# EAGLE board Mk4 Final Panel 6up 3x2 (EAGLE 9.0.1), part 5 of 18 (continued)
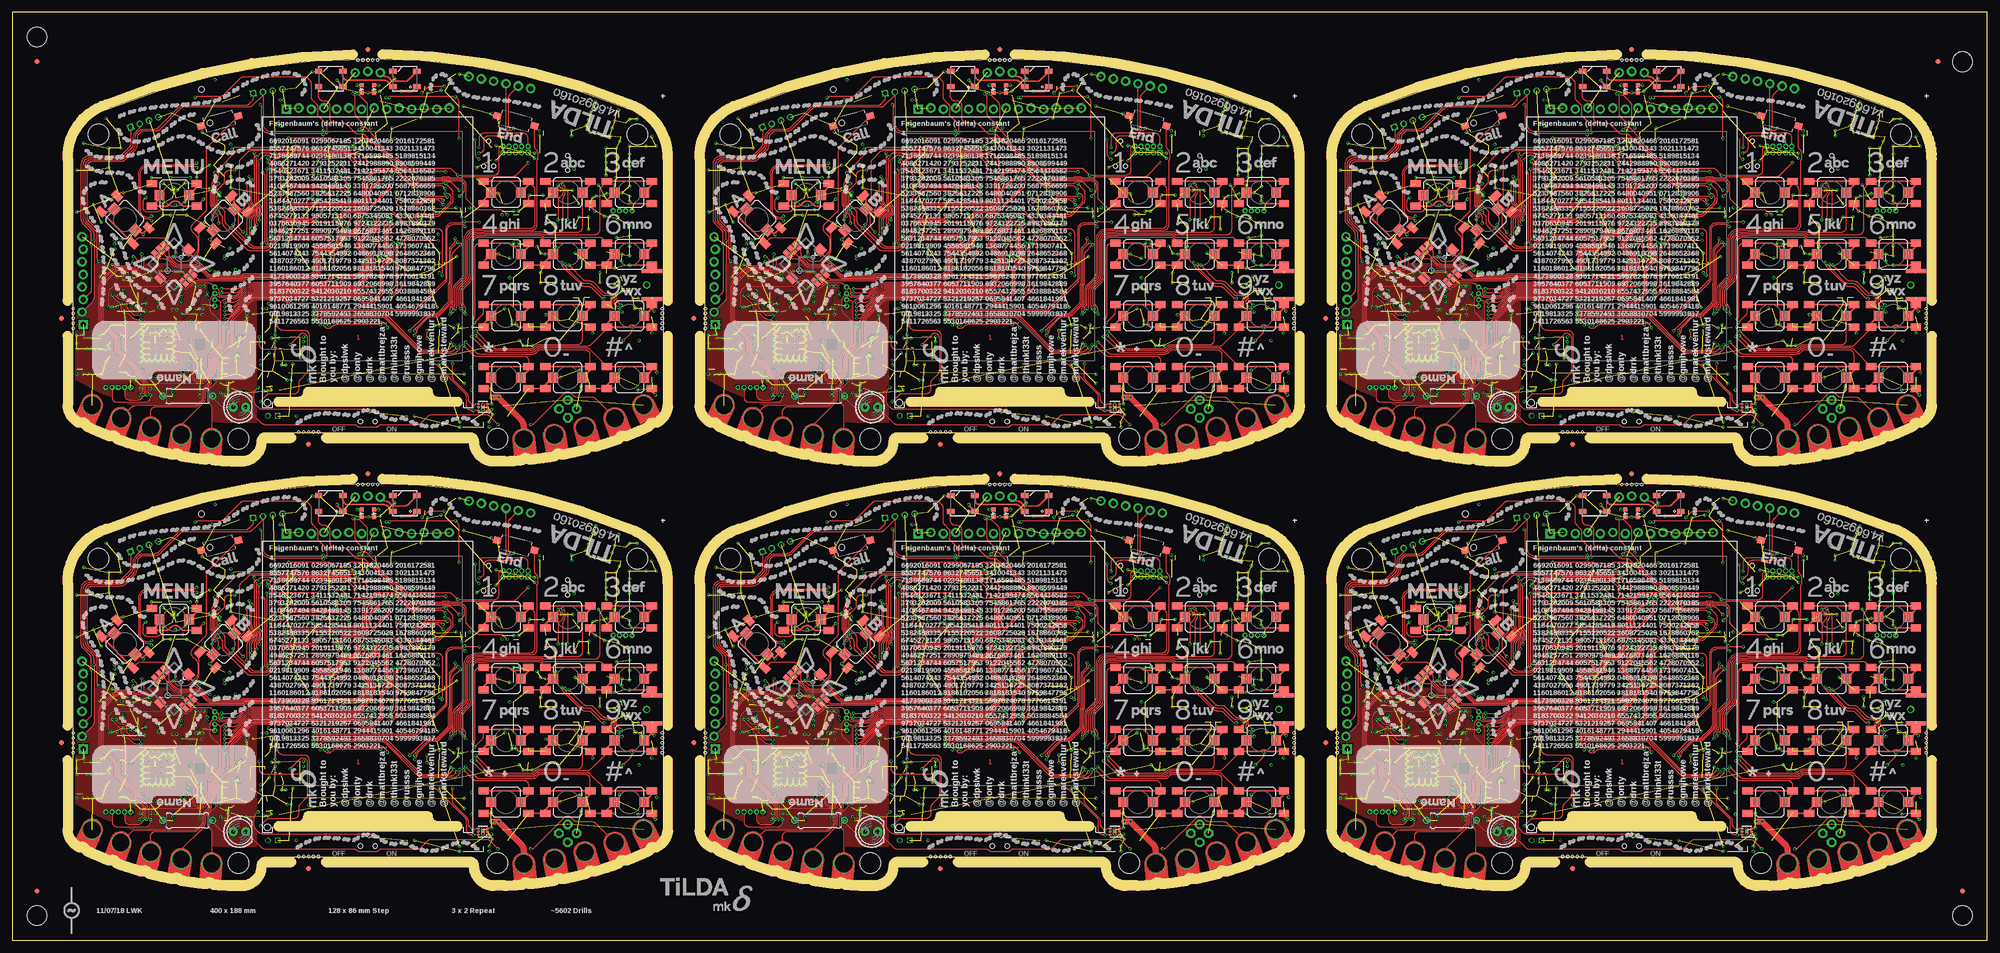
[diagram p0: board, top side]
## Tracks (layer width: path | path; a pad name or v marks a point on that pad's centre or on a via) (continued)
  Bottom 0.15: IC20.70 195.8,73.59 arc-45 195.95,73.95 196.25,74.25 arc-45 196.61,74.4 196.79,74.4 arc45 197.15,74.55 197.85,75.25 arc45 198,75.61 C125.2 | R88.1 198,77.79 arc-45 198.15,78.15 v198.25,78.25 | v208.5,37.5 208.5,31.82 arc45 209.01,30.59 214.09,25.51 arc45 215.32,25 218.45,25 arc-90 219.7,23.75 219.7,22.16 arc-45 219.41,21.46 218.41,20.46 arc-45 218.27,20.4 217.56,20.4 arc45 217.42,20.34 217.38,20.31 arc-45 217.24,20.25 S40.2
  Bottom 0.2: C125.2 R88.1
!RESET2  (via drill 0.3)
  Top 0.15: v89.7,142.2 89.7,141.81 arc-45 89.41,141.11 88.82,140.52 arc45 88.53,139.81 88.53,133.15 arc-45 88.5,133.08 88.43,133.01 arc45 88.4,132.94 88.4,129.76 arc-45 88.11,129.06 86.24,127.19 arc-45 85.54,126.9 84.31,126.9 arc45 83.61,126.61 v80.5,123.5
  Top 0.2: J23.10 98.84,160.84 arc45 98.6,160.27 98.6,156.05 arc-90 97.6,155.05 v90.2,155.05 89.19,156.06 arc45 88.49,156.35 80.46,156.35 arc-45 79.75,156.64 78.14,158.25 arc45 77.79,158.4 77.67,158.4 arc-45 76.96,158.69 74.02,161.63 arc-45 73.73,162.34 arc45 73.6,162.65 71.83,164.42 arc90 70.42,164.42 v70.25,164.25
  3V3@2 0.15: v90.2,155.05 90.2,152.8 88.62,151.22 88.62,150.38 88.5,150.26 88.5,144.65 89.7,143.45 v89.7,142.2
  Bottom 0.15: IC38.70 67.8,159.59 arc-45 67.95,159.95 68.25,160.25 arc-45 68.61,160.4 68.79,160.4 arc45 69.15,160.55 69.85,161.25 arc45 70,161.61 C233.2 | R166.1 70,163.79 arc-45 70.15,164.15 v70.25,164.25 | v80.5,123.5 80.5,117.83 arc45 81.01,116.59 86.09,111.51 arc45 87.33,111 90.45,111 arc-90 91.7,109.75 91.7,108.16 arc-45 91.41,107.46 90.41,106.46 arc-45 90.27,106.4 89.56,106.4 arc45 89.42,106.34 89.38,106.31 arc-45 89.24,106.25 S61.2
  Bottom 0.2: C233.2 R166.1
!RESET3  (via drill 0.3)
  Top 0.15: v217.7,142.2 217.7,141.81 arc-45 217.41,141.11 216.82,140.52 arc45 216.53,139.81 216.53,133.15 arc-45 216.5,133.08 216.43,133.01 arc45 216.4,132.94 216.4,129.76 arc-45 216.11,129.06 214.24,127.19 arc-45 213.54,126.9 212.31,126.9 arc45 211.61,126.61 v208.5,123.5
  Top 0.2: J33.10 226.84,160.84 arc45 226.6,160.27 226.6,156.05 arc-90 225.6,155.05 v218.2,155.05 217.19,156.06 arc45 216.49,156.35 208.46,156.35 arc-45 207.75,156.64 206.14,158.25 arc45 205.79,158.4 205.67,158.4 arc-45 204.96,158.69 202.02,161.63 arc-45 201.73,162.34 arc45 201.6,162.65 199.83,164.42 arc90 198.42,164.42 v198.25,164.25
  3V3@2 0.15: v218.2,155.05 218.2,152.8 216.62,151.22 216.62,150.38 216.5,150.26 216.5,144.65 217.7,143.45 v217.7,142.2
  Bottom 0.15: IC56.70 195.8,159.59 arc-45 195.95,159.95 196.25,160.25 arc-45 196.61,160.4 196.79,160.4 arc45 197.15,160.55 197.85,161.25 arc45 198,161.61 C341.2 | R244.1 198,163.79 arc-45 198.15,164.15 v198.25,164.25 | v208.5,123.5 208.5,117.83 arc45 209.01,116.59 214.09,111.51 arc45 215.32,111 218.45,111 arc-90 219.7,109.75 219.7,108.16 arc-45 219.41,107.46 218.41,106.46 arc-45 218.27,106.4 217.56,106.4 arc45 217.42,106.34 217.38,106.31 arc-45 217.24,106.25 S82.2
  Bottom 0.2: C341.2 R244.1
!RESET4  (via drill 0.3)
  Top 0.15: v345.7,56.2 345.7,55.81 arc-45 345.41,55.11 344.82,54.52 arc45 344.52,53.81 344.52,47.15 arc-45 344.5,47.08 344.43,47.01 arc45 344.4,46.94 344.4,43.76 arc-45 344.11,43.06 342.24,41.19 arc-45 341.54,40.9 340.31,40.9 arc45 339.61,40.61 v336.5,37.5
  Top 0.2: J43.10 354.83,74.84 arc45 354.6,74.27 354.6,70.05 arc-90 353.6,69.05 v346.2,69.05 345.19,70.06 arc45 344.49,70.35 336.46,70.35 arc-45 335.75,70.64 334.14,72.25 arc45 333.79,72.4 333.67,72.4 arc-45 332.96,72.69 330.02,75.63 arc-45 329.73,76.34 arc45 329.6,76.65 327.83,78.42 arc90 326.42,78.42 v326.25,78.25
  3V3@2 0.15: v346.2,69.05 346.2,66.8 344.62,65.22 344.62,64.38 344.5,64.26 344.5,58.65 345.7,57.45 v345.7,56.2
  Bottom 0.15: IC74.70 323.8,73.59 arc-45 323.95,73.95 324.25,74.25 arc-45 324.61,74.4 324.79,74.4 arc45 325.15,74.55 325.85,75.25 arc45 326,75.61 C449.2 | R322.1 326,77.79 arc-45 326.15,78.15 v326.25,78.25 | v336.5,37.5 336.5,31.82 arc45 337.01,30.59 342.09,25.51 arc45 343.32,25 346.45,25 arc-90 347.7,23.75 347.7,22.16 arc-45 347.41,21.46 346.41,20.46 arc-45 346.27,20.4 345.56,20.4 arc45 345.42,20.34 345.38,20.31 arc-45 345.24,20.25 S103.2
  Bottom 0.2: C449.2 R322.1
!RESET6  (via drill 0.3)
  Top 0.15: v345.7,142.2 345.7,141.81 arc-45 345.41,141.11 344.82,140.52 arc45 344.52,139.81 344.52,133.15 arc-45 344.5,133.08 344.43,133.01 arc45 344.4,132.94 344.4,129.76 arc-45 344.11,129.06 342.24,127.19 arc-45 341.54,126.9 340.31,126.9 arc45 339.61,126.61 v336.5,123.5
  Top 0.2: J63.10 354.83,160.84 arc45 354.6,160.27 354.6,156.05 arc-90 353.6,155.05 v346.2,155.05 345.19,156.06 arc45 344.49,156.35 336.46,156.35 arc-45 335.75,156.64 334.14,158.25 arc45 333.79,158.4 333.67,158.4 arc-45 332.96,158.69 330.02,161.63 arc-45 329.73,162.34 arc45 329.6,162.65 327.83,164.42 arc90 326.42,164.42 v326.25,164.25
  3V3@2 0.15: v346.2,155.05 346.2,152.8 344.62,151.22 344.62,150.38 344.5,150.26 344.5,144.65 345.7,143.45 v345.7,142.2
  Bottom 0.15: IC110.70 323.8,159.59 arc-45 323.95,159.95 324.25,160.25 arc-45 324.61,160.4 324.79,160.4 arc45 325.15,160.55 325.85,161.25 arc45 326,161.61 C665.2 | R478.1 326,163.79 arc-45 326.15,164.15 v326.25,164.25 | v336.5,123.5 336.5,117.83 arc45 337.01,116.59 342.09,111.51 arc45 343.32,111 346.45,111 arc-90 347.7,109.75 347.7,108.16 arc-45 347.41,107.46 346.41,106.46 arc-45 346.27,106.4 345.56,106.4 arc45 345.42,106.34 345.38,106.31 arc-45 345.24,106.25 S145.2
  Bottom 0.2: C665.2 R478.1
!WAKE  (via drill 0.3)
  Top 0.15: v66.5,71.2 68.11,69.59 arc45 68.81,69.3 71.87,69.3 arc45 72.22,69.45 72.81,70.03 arc-45 73.52,70.33 77.23,70.33 arc-45 77.76,70.1 80.4,67.47 arc45 81.11,67.17 82.24,67.17 82.27,67.2 86.54,67.2 arc45 87.25,67.49 87.52,67.77 arc-45 87.66,67.83 87.94,67.83 arc-45 88.08,67.77 88.18,67.66 arc45 88.33,67.6 88.49,67.6 arc-45 89.19,67.31 v90.5,66 | v81.5,37.5 81.52,37.52 arc-45 81.75,38.08 83.98,40.31 arc-45 84.69,40.6 85.66,40.6 arc45 86.37,40.89 88.41,42.93 arc45 88.7,43.64 88.7,46.82 arc-45 88.73,46.89 88.8,46.96 arc45 88.83,47.03 88.83,53.66 arc-45 89.12,54.37 v90.22,55.48
  3V3@2 0.15: v90.22,55.48 90.22,56.58 90.1,56.7 90.1,57.48 88.8,58.78 88.8,64.13 88.92,64.26 88.92,64.42 v90.5,66
  Bottom 0.15: S20.2 64.25,20.25 65.21,19.29 arc45 65.91,19 68.88,19 arc-45 69.58,18.71 69.97,18.32 arc45 70.32,18.18 73.68,18.18 arc45 74.03,18.32 74.42,18.71 arc-45 75.12,19 88.09,19 arc45 88.79,19.29 89.54,20.04 arc-45 89.68,20.1 90.39,20.1 arc45 90.53,20.16 91.63,21.26 arc45 92,22.14 92,23.8 arc90 90.5,25.3 87.4,25.3 arc-45 86.34,25.74 81.34,30.74 arc-45 80.9,31.8 80.9,36.49 arc-45 81.19,37.19 v81.5,37.5 | IC1.64 v66.5,71.2
  Bottom 0.2: IC1.64 62.7,71.2 R5.1
!WAKE1  (via drill 0.3)
  Top 0.15: v194.5,71.2 196.11,69.59 arc45 196.81,69.3 199.87,69.3 arc45 200.22,69.45 200.81,70.03 arc-45 201.51,70.33 205.23,70.33 arc-45 205.76,70.1 208.4,67.47 arc45 209.11,67.17 210.24,67.17 210.27,67.2 214.54,67.2 arc45 215.25,67.49 215.52,67.77 arc-45 215.66,67.83 215.94,67.83 arc-45 216.08,67.77 216.18,67.66 arc45 216.32,67.6 216.49,67.6 arc-45 217.19,67.31 v218.5,66 | v209.5,37.5 209.52,37.52 arc-45 209.75,38.08 211.98,40.31 arc-45 212.69,40.6 213.66,40.6 arc45 214.37,40.89 216.41,42.93 arc45 216.7,43.64 216.7,46.82 arc-45 216.73,46.89 216.8,46.96 arc45 216.82,47.03 216.82,53.66 arc-45 217.12,54.37 v218.22,55.48
  3V3@2 0.15: v218.22,55.48 218.22,56.58 218.1,56.7 218.1,57.48 216.8,58.78 216.8,64.13 216.93,64.26 216.93,64.42 v218.5,66
  Bottom 0.15: S41.2 192.25,20.25 193.21,19.29 arc45 193.91,19 196.88,19 arc-45 197.58,18.71 197.97,18.32 arc45 198.32,18.18 201.68,18.18 arc45 202.03,18.32 202.41,18.71 arc-45 203.12,19 216.09,19 arc45 216.79,19.29 217.54,20.04 arc-45 217.68,20.1 218.39,20.1 arc45 218.53,20.16 219.63,21.26 arc45 220,22.14 220,23.8 arc90 218.5,25.3 215.4,25.3 arc-45 214.34,25.74 209.34,30.74 arc-45 208.9,31.8 208.9,36.49 arc-45 209.19,37.19 v209.5,37.5 | IC20.64 v194.5,71.2
  Bottom 0.2: IC20.64 190.7,71.2 R89.1
!WAKE2  (via drill 0.3)
  Top 0.15: v66.5,157.2 68.11,155.59 arc45 68.81,155.3 71.87,155.3 arc45 72.22,155.45 72.81,156.03 arc-45 73.52,156.32 77.23,156.32 arc-45 77.76,156.1 80.4,153.47 arc45 81.11,153.18 82.24,153.18 82.27,153.2 86.54,153.2 arc45 87.25,153.49 87.52,153.77 arc-45 87.66,153.82 87.94,153.82 arc-45 88.08,153.77 88.18,153.66 arc45 88.33,153.6 88.49,153.6 arc-45 89.19,153.31 v90.5,152 | v81.5,123.5 81.52,123.52 arc-45 81.75,124.08 83.98,126.31 arc-45 84.69,126.6 85.66,126.6 arc45 86.37,126.89 88.41,128.93 arc45 88.7,129.64 88.7,132.82 arc-45 88.73,132.89 88.8,132.96 arc45 88.83,133.03 88.83,139.66 arc-45 89.12,140.37 v90.22,141.47
  3V3@2 0.15: v90.22,141.47 90.22,142.57 90.1,142.7 90.1,143.48 88.8,144.78 88.8,150.13 88.92,150.26 88.92,150.43 v90.5,152
  Bottom 0.15: S62.2 64.25,106.25 65.21,105.29 arc45 65.91,105 68.88,105 arc-45 69.58,104.71 69.97,104.32 arc45 70.32,104.17 73.68,104.17 arc45 74.03,104.32 74.42,104.71 arc-45 75.12,105 88.09,105 arc45 88.79,105.29 89.54,106.04 arc-45 89.68,106.1 90.39,106.1 arc45 90.53,106.16 91.63,107.26 arc45 92,108.14 92,109.8 arc90 90.5,111.3 87.4,111.3 arc-45 86.34,111.74 81.34,116.74 arc-45 80.9,117.8 80.9,122.49 arc-45 81.19,123.19 v81.5,123.5 | IC38.64 v66.5,157.2
  Bottom 0.2: IC38.64 62.7,157.2 R167.1
!WAKE3  (via drill 0.3)
  Top 0.15: v194.5,157.2 196.11,155.59 arc45 196.81,155.3 199.87,155.3 arc45 200.22,155.45 200.81,156.03 arc-45 201.51,156.32 205.23,156.32 arc-45 205.76,156.1 208.4,153.47 arc45 209.11,153.18 210.24,153.18 210.27,153.2 214.54,153.2 arc45 215.25,153.49 215.52,153.77 arc-45 215.66,153.82 215.94,153.82 arc-45 216.08,153.77 216.18,153.66 arc45 216.32,153.6 216.49,153.6 arc-45 217.19,153.31 v218.5,152 | v209.5,123.5 209.52,123.52 arc-45 209.75,124.08 211.98,126.31 arc-45 212.69,126.6 213.66,126.6 arc45 214.37,126.89 216.41,128.93 arc45 216.7,129.64 216.7,132.82 arc-45 216.73,132.89 216.8,132.96 arc45 216.82,133.03 216.82,139.66 arc-45 217.12,140.37 v218.22,141.47
  3V3@2 0.15: v218.22,141.47 218.22,142.57 218.1,142.7 218.1,143.48 216.8,144.78 216.8,150.13 216.93,150.26 216.93,150.43 v218.5,152
  Bottom 0.15: S83.2 192.25,106.25 193.21,105.29 arc45 193.91,105 196.88,105 arc-45 197.58,104.71 197.97,104.32 arc45 198.32,104.17 201.68,104.17 arc45 202.03,104.32 202.41,104.71 arc-45 203.12,105 216.09,105 arc45 216.79,105.29 217.54,106.04 arc-45 217.68,106.1 218.39,106.1 arc45 218.53,106.16 219.63,107.26 arc45 220,108.14 220,109.8 arc90 218.5,111.3 215.4,111.3 arc-45 214.34,111.74 209.34,116.74 arc-45 208.9,117.8 208.9,122.49 arc-45 209.19,123.19 v209.5,123.5 | IC56.64 v194.5,157.2
  Bottom 0.2: IC56.64 190.7,157.2 R245.1
!WAKE4  (via drill 0.3)
  Top 0.15: v322.5,71.2 324.11,69.59 arc45 324.81,69.3 327.87,69.3 arc45 328.22,69.45 328.81,70.03 arc-45 329.51,70.33 333.23,70.33 arc-45 333.76,70.1 336.4,67.47 arc45 337.11,67.17 338.24,67.17 338.27,67.2 342.54,67.2 arc45 343.25,67.49 343.52,67.77 arc-45 343.67,67.83 343.94,67.83 arc-45 344.08,67.77 344.18,67.66 arc45 344.32,67.6 344.49,67.6 arc-45 345.19,67.31 v346.5,66 | v337.5,37.5 337.52,37.52 arc-45 337.75,38.08 339.98,40.31 arc-45 340.69,40.6 341.66,40.6 arc45 342.37,40.89 344.41,42.93 arc45 344.7,43.64 344.7,46.82 arc-45 344.73,46.89 344.8,46.96 arc45 344.82,47.03 344.82,53.66 arc-45 345.12,54.37 v346.23,55.48
  3V3@2 0.15: v346.23,55.48 346.23,56.58 346.1,56.7 346.1,57.48 344.8,58.78 344.8,64.13 344.93,64.26 344.93,64.42 v346.5,66
  Bottom 0.15: S104.2 320.25,20.25 321.21,19.29 arc45 321.91,19 324.88,19 arc-45 325.59,18.71 325.97,18.32 arc45 326.32,18.18 329.68,18.18 arc45 330.03,18.32 330.42,18.71 arc-45 331.12,19 344.09,19 arc45 344.79,19.29 345.54,20.04 arc-45 345.68,20.1 346.39,20.1 arc45 346.53,20.16 347.63,21.26 arc45 348,22.14 348,23.8 arc90 346.5,25.3 343.4,25.3 arc-45 342.34,25.74 337.34,30.74 arc-45 336.9,31.8 336.9,36.49 arc-45 337.19,37.19 v337.5,37.5 | IC74.64 v322.5,71.2
  Bottom 0.2: IC74.64 318.7,71.2 R323.1
!WAKE6  (via drill 0.3)
  Top 0.15: v322.5,157.2 324.11,155.59 arc45 324.81,155.3 327.87,155.3 arc45 328.22,155.45 328.81,156.03 arc-45 329.51,156.32 333.23,156.32 arc-45 333.76,156.1 336.4,153.47 arc45 337.11,153.18 338.24,153.18 338.27,153.2 342.54,153.2 arc45 343.25,153.49 343.52,153.77 arc-45 343.67,153.82 343.94,153.82 arc-45 344.08,153.77 344.18,153.66 arc45 344.32,153.6 344.49,153.6 arc-45 345.19,153.31 v346.5,152 | v337.5,123.5 337.52,123.52 arc-45 337.75,124.08 339.98,126.31 arc-45 340.69,126.6 341.66,126.6 arc45 342.37,126.89 344.41,128.93 arc45 344.7,129.64 344.7,132.82 arc-45 344.73,132.89 344.8,132.96 arc45 344.82,133.03 344.82,139.66 arc-45 345.12,140.37 v346.23,141.47
  3V3@2 0.15: v346.23,141.47 346.23,142.57 346.1,142.7 346.1,143.48 344.8,144.78 344.8,150.13 344.93,150.26 344.93,150.43 v346.5,152
  Bottom 0.15: S146.2 320.25,106.25 321.21,105.29 arc45 321.91,105 324.88,105 arc-45 325.59,104.71 325.97,104.32 arc45 326.32,104.17 329.68,104.17 arc45 330.03,104.32 330.42,104.71 arc-45 331.12,105 344.09,105 arc45 344.79,105.29 345.54,106.04 arc-45 345.68,106.1 346.39,106.1 arc45 346.53,106.16 347.63,107.26 arc45 348,108.14 348,109.8 arc90 346.5,111.3 343.4,111.3 arc-45 342.34,111.74 337.34,116.74 arc-45 336.9,117.8 336.9,122.49 arc-45 337.19,123.19 v337.5,123.5 | IC110.64 v322.5,157.2
  Bottom 0.2: IC110.64 318.7,157.2 R479.1
ADC1_HALL  (via drill 0.3)
  Top 0.15: v83,53 v84.25,53
  Bottom 0.15: IC1.13 73.4,55.06 arc-45 73.11,54.36 73.04,54.29 arc45 72.75,53.59 72.75,52.5 arc90 73.75,51.5 78.34,51.5 arc45 79.04,51.79 79.67,52.42 arc-45 80.38,52.72 82.55,52.72 82.83,53 v83,53 | v84.25,53 84.96,52.29 arc45 85.66,52 87.59,52 arc-45 88.29,51.71 94.11,45.89 arc-45 94.4,45.19 94.4,39.33 arc45 94.91,38.09 99.79,33.21 arc45 101.03,32.7 104.5,32.7 arc-90 105.5,31.7 105.5,23.91 arc-45 105.21,23.21 104.54,22.54 arc-45 103.84,22.25 IC18.2
ADC1_HALL1  (via drill 0.3)
  Top 0.15: v211,53 v212.25,53
  Bottom 0.15: IC20.13 201.4,55.06 arc-45 201.11,54.36 201.04,54.29 arc45 200.75,53.59 200.75,52.5 arc90 201.75,51.5 206.34,51.5 arc45 207.04,51.79 207.67,52.42 arc-45 208.38,52.72 210.54,52.72 210.83,53 v211,53 | v212.25,53 212.96,52.29 arc45 213.66,52 215.59,52 arc-45 216.29,51.71 222.11,45.89 arc-45 222.4,45.19 222.4,39.33 arc45 222.91,38.09 227.79,33.21 arc45 229.03,32.7 232.5,32.7 arc-90 233.5,31.7 233.5,23.91 arc-45 233.21,23.21 232.54,22.54 arc-45 231.84,22.25 IC36.2
ADC1_HALL2  (via drill 0.3)
  Top 0.15: v83,139 v84.25,139
  Bottom 0.15: IC38.13 73.4,141.06 arc-45 73.11,140.36 73.04,140.29 arc45 72.75,139.59 72.75,138.5 arc90 73.75,137.5 78.34,137.5 arc45 79.04,137.79 79.67,138.42 arc-45 80.38,138.72 82.55,138.72 82.83,139 v83,139 | v84.25,139 84.96,138.29 arc45 85.66,138 87.59,138 arc-45 88.29,137.71 94.11,131.89 arc-45 94.4,131.19 94.4,125.33 arc45 94.91,124.09 99.79,119.21 arc45 101.03,118.7 104.5,118.7 arc-90 105.5,117.7 105.5,109.91 arc-45 105.21,109.21 104.54,108.54 arc-45 103.84,108.25 IC54.2
ADC1_HALL3  (via drill 0.3)
  Top 0.15: v211,139 v212.25,139
  Bottom 0.15: IC56.13 201.4,141.06 arc-45 201.11,140.36 201.04,140.29 arc45 200.75,139.59 200.75,138.5 arc90 201.75,137.5 206.34,137.5 arc45 207.04,137.79 207.67,138.42 arc-45 208.38,138.72 210.54,138.72 210.83,139 v211,139 | v212.25,139 212.96,138.29 arc45 213.66,138 215.59,138 arc-45 216.29,137.71 222.11,131.89 arc-45 222.4,131.19 222.4,125.33 arc45 222.91,124.09 227.79,119.21 arc45 229.03,118.7 232.5,118.7 arc-90 233.5,117.7 233.5,109.91 arc-45 233.21,109.21 232.54,108.54 arc-45 231.84,108.25 IC72.2
ADC1_HALL4  (via drill 0.3)
  Top 0.15: v339,53 v340.25,53
  Bottom 0.15: IC74.13 329.4,55.06 arc-45 329.11,54.36 329.04,54.29 arc45 328.75,53.59 328.75,52.5 arc90 329.75,51.5 334.34,51.5 arc45 335.04,51.79 335.67,52.42 arc-45 336.38,52.72 338.55,52.72 338.83,53 v339,53 | v340.25,53 340.96,52.29 arc45 341.66,52 343.59,52 arc-45 344.29,51.71 350.11,45.89 arc-45 350.4,45.19 350.4,39.33 arc45 350.91,38.09 355.79,33.21 arc45 357.02,32.7 360.5,32.7 arc-90 361.5,31.7 361.5,23.91 arc-45 361.21,23.21 360.54,22.54 arc-45 359.84,22.25 IC90.2
ADC1_HALL6  (via drill 0.3)
  Top 0.15: v339,139 v340.25,139
  Bottom 0.15: IC110.13 329.4,141.06 arc-45 329.11,140.36 329.04,140.29 arc45 328.75,139.59 328.75,138.5 arc90 329.75,137.5 334.34,137.5 arc45 335.04,137.79 335.67,138.42 arc-45 336.38,138.72 338.55,138.72 338.83,139 v339,139 | v340.25,139 340.96,138.29 arc45 341.66,138 343.59,138 arc-45 344.29,137.71 350.11,131.89 arc-45 350.4,131.19 350.4,125.33 arc45 350.91,124.09 355.79,119.21 arc45 357.02,118.7 360.5,118.7 arc-90 361.5,117.7 361.5,109.91 arc-45 361.21,109.21 360.54,108.54 arc-45 359.84,108.25 IC126.2
AIN6_SPK_ADC  (via drill 0.3)
  Top 0.15: v87.7,65.4 87.8,65.4 arc-90 88.8,64.4 88.8,64.01 arc-45 88.51,63.31 86.47,61.27 arc-45 85.76,60.98 82.83,60.98 82.75,61.05 arc45 82.39,61.2 82.1,61.2 arc90 81.6,60.7 81.6,60.5 arc90 82.1,60 v82.8,60
  Bottom 0.15: R46.2 94.75,64.4 arc90 93.75,65.4 92.6,65.4 | v87.7,65.4 92.6,65.4 | v82.8,60 81.71,60 arc45 81.35,59.85 81.25,59.75 arc-45 80.89,59.6 IC1.126 | IC11.7 92.67,65.33 92.6,65.4
AIN6_SPK_ADC1  (via drill 0.3)
  Top 0.15: v215.7,65.4 215.8,65.4 arc-90 216.8,64.4 216.8,64.01 arc-45 216.51,63.31 214.47,61.27 arc-45 213.76,60.98 210.82,60.98 210.75,61.05 arc45 210.39,61.2 210.1,61.2 arc90 209.6,60.7 209.6,60.5 arc90 210.1,60 v210.8,60
  Bottom 0.15: R127.2 222.75,64.4 arc90 221.75,65.4 220.6,65.4 | v215.7,65.4 220.6,65.4 | v210.8,60 209.71,60 arc45 209.35,59.85 209.25,59.75 arc-45 208.89,59.6 IC20.126 | IC26.7 220.68,65.33 220.6,65.4
AIN6_SPK_ADC2  (via drill 0.3)
  Top 0.15: v87.7,151.4 87.8,151.4 arc-90 88.8,150.4 88.8,150.01 arc-45 88.51,149.31 86.47,147.27 arc-45 85.76,146.97 82.83,146.97 82.75,147.05 arc45 82.39,147.2 82.1,147.2 arc90 81.6,146.7 81.6,146.5 arc90 82.1,146 v82.8,146
  Bottom 0.15: R205.2 94.75,150.4 arc90 93.75,151.4 92.6,151.4 | v87.7,151.4 92.6,151.4 | v82.8,146 81.71,146 arc45 81.35,145.85 81.25,145.75 arc-45 80.89,145.6 IC38.126 | IC44.7 92.67,151.32 92.6,151.4
AIN6_SPK_ADC3  (via drill 0.3)
  Top 0.15: v215.7,151.4 215.8,151.4 arc-90 216.8,150.4 216.8,150.01 arc-45 216.51,149.31 214.47,147.27 arc-45 213.76,146.97 210.82,146.97 210.75,147.05 arc45 210.39,147.2 210.1,147.2 arc90 209.6,146.7 209.6,146.5 arc90 210.1,146 v210.8,146
  Bottom 0.15: R283.2 222.75,150.4 arc90 221.75,151.4 220.6,151.4 | v215.7,151.4 220.6,151.4 | v210.8,146 209.71,146 arc45 209.35,145.85 209.25,145.75 arc-45 208.89,145.6 IC56.126 | IC62.7 220.68,151.32 220.6,151.4
AIN6_SPK_ADC4  (via drill 0.3)
  Top 0.15: v343.7,65.4 343.8,65.4 arc-90 344.8,64.4 344.8,64.01 arc-45 344.51,63.31 342.47,61.27 arc-45 341.76,60.98 338.82,60.98 338.75,61.05 arc45 338.39,61.2 338.1,61.2 arc90 337.6,60.7 337.6,60.5 arc90 338.1,60 v338.8,60
  Bottom 0.15: R361.2 350.75,64.4 arc90 349.75,65.4 348.6,65.4 | v343.7,65.4 348.6,65.4 | v338.8,60 337.71,60 arc45 337.35,59.85 337.25,59.75 arc-45 336.89,59.6 IC74.126 | IC80.7 348.68,65.33 348.6,65.4
AIN6_SPK_ADC6  (via drill 0.3)
  Top 0.15: v343.7,151.4 343.8,151.4 arc-90 344.8,150.4 344.8,150.01 arc-45 344.51,149.31 342.47,147.27 arc-45 341.76,146.97 338.82,146.97 338.75,147.05 arc45 338.39,147.2 338.1,147.2 arc90 337.6,146.7 337.6,146.5 arc90 338.1,146 v338.8,146
  Bottom 0.15: R517.2 350.75,150.4 arc90 349.75,151.4 348.6,151.4 | v343.7,151.4 348.6,151.4 | v338.8,146 337.71,146 arc45 337.35,145.85 337.25,145.75 arc-45 336.89,145.6 IC110.126 | IC116.7 348.68,151.32 348.6,151.4
AMP_!SHUTDOWN  (via drill 0.3)
  Top 0.15: v36,68.5 v32.05,68.5
  3V3@2 0.15: v60.75,64.5 60.75,64.05 60.55,63.85 60.55,55.55 v57.5,52.5
  Bottom 0.15: IC1.46 63.77,64 arc45 63.42,63.85 63.29,63.72 arc-45 62.94,63.58 61.88,63.58 arc-45 61.53,63.72 v60.75,64.5 | v57.5,52.5 57.09,52.91 arc45 56.39,53.2 43.78,53.2 arc-45 43.64,53.26 43.56,53.34 arc45 43.42,53.4 42.76,53.4 arc-45 42.06,53.69 41.54,54.21 arc-45 41.25,54.91 41.25,56.34 arc45 40.96,57.04 39.47,58.53 arc45 39.12,58.67 38.91,58.67 arc-90 38.17,59.41 arc45 37.88,60.12 37.79,60.21 arc-45 37.5,60.91 37.5,65.59 arc45 37.21,66.29 36.29,67.21 arc-45 36,67.91 v36,68.5
  Bottom 0.2: IC13.1 31.83,67.86 arc-45 32.05,68.4 v32.05,68.5 R74.1
AMP_!SHUTDOWN1  (via drill 0.3)
  Top 0.15: v164,68.5 v160.05,68.5
  3V3@2 0.15: v188.75,64.5 188.75,64.05 188.55,63.85 188.55,55.55 v185.5,52.5
  Bottom 0.15: IC20.46 191.78,64 arc45 191.42,63.85 191.29,63.72 arc-45 190.94,63.58 189.88,63.58 arc-45 189.53,63.72 v188.75,64.5 | v185.5,52.5 185.09,52.91 arc45 184.39,53.2 171.78,53.2 arc-45 171.64,53.26 171.56,53.34 arc45 171.42,53.4 170.76,53.4 arc-45 170.06,53.69 169.54,54.21 arc-45 169.25,54.91 169.25,56.34 arc45 168.96,57.04 167.47,58.53 arc45 167.12,58.67 166.91,58.67 arc-90 166.18,59.41 arc45 165.88,60.12 165.79,60.21 arc-45 165.5,60.91 165.5,65.59 arc45 165.21,66.29 164.29,67.21 arc-45 164,67.91 v164,68.5
  Bottom 0.2: IC28.1 159.82,67.86 arc-45 160.05,68.4 v160.05,68.5 R155.1
AMP_!SHUTDOWN2  (via drill 0.3)
  Top 0.15: v36,154.5 v32.05,154.5
  3V3@2 0.15: v60.75,150.5 60.75,150.05 60.55,149.85 60.55,141.55 v57.5,138.5
  Bottom 0.15: IC38.46 63.77,150 arc45 63.42,149.85 63.29,149.72 arc-45 62.94,149.57 61.88,149.57 arc-45 61.53,149.72 v60.75,150.5 | v57.5,138.5 57.09,138.91 arc45 56.39,139.2 43.78,139.2 arc-45 43.64,139.26 43.56,139.34 arc45 43.42,139.4 42.76,139.4 arc-45 42.06,139.69 41.54,140.21 arc-45 41.25,140.91 41.25,142.34 arc45 40.96,143.04 39.47,144.53 arc45 39.12,144.68 38.91,144.68 arc-90 38.17,145.41 arc45 37.88,146.12 37.79,146.21 arc-45 37.5,146.91 37.5,151.59 arc45 37.21,152.29 36.29,153.21 arc-45 36,153.91 v36,154.5
  Bottom 0.2: IC46.1 31.83,153.86 arc-45 32.05,154.4 v32.05,154.5 R233.1
AMP_!SHUTDOWN3  (via drill 0.3)
  Top 0.15: v164,154.5 v160.05,154.5
  3V3@2 0.15: v188.75,150.5 188.75,150.05 188.55,149.85 188.55,141.55 v185.5,138.5
  Bottom 0.15: IC56.46 191.78,150 arc45 191.42,149.85 191.29,149.72 arc-45 190.94,149.57 189.88,149.57 arc-45 189.53,149.72 v188.75,150.5 | v185.5,138.5 185.09,138.91 arc45 184.39,139.2 171.78,139.2 arc-45 171.64,139.26 171.56,139.34 arc45 171.42,139.4 170.76,139.4 arc-45 170.06,139.69 169.54,140.21 arc-45 169.25,140.91 169.25,142.34 arc45 168.96,143.04 167.47,144.53 arc45 167.12,144.68 166.91,144.68 arc-90 166.18,145.41 arc45 165.88,146.12 165.79,146.21 arc-45 165.5,146.91 165.5,151.59 arc45 165.21,152.29 164.29,153.21 arc-45 164,153.91 v164,154.5
  Bottom 0.2: IC64.1 159.82,153.86 arc-45 160.05,154.4 v160.05,154.5 R311.1
AMP_!SHUTDOWN4  (via drill 0.3)
  Top 0.15: v292,68.5 v288.05,68.5
  3V3@2 0.15: v316.75,64.5 316.75,64.05 316.55,63.85 316.55,55.55 v313.5,52.5
  Bottom 0.15: IC74.46 319.77,64 arc45 319.42,63.85 319.29,63.72 arc-45 318.94,63.58 317.88,63.58 arc-45 317.53,63.72 v316.75,64.5 | v313.5,52.5 313.09,52.91 arc45 312.39,53.2 299.78,53.2 arc-45 299.64,53.26 299.56,53.34 arc45 299.42,53.4 298.76,53.4 arc-45 298.06,53.69 297.54,54.21 arc-45 297.25,54.91 297.25,56.34 arc45 296.96,57.04 295.47,58.53 arc45 295.12,58.67 294.91,58.67 arc-90 294.18,59.41 arc45 293.88,60.12 293.79,60.21 arc-45 293.5,60.91 293.5,65.59 arc45 293.21,66.29 292.29,67.21 arc-45 292,67.91 v292,68.5
  Bottom 0.2: IC82.1 287.82,67.86 arc-45 288.05,68.4 v288.05,68.5 R389.1
AMP_!SHUTDOWN6  (via drill 0.3)
  Top 0.15: v292,154.5 v288.05,154.5
  3V3@2 0.15: v316.75,150.5 316.75,150.05 316.55,149.85 316.55,141.55 v313.5,138.5
  Bottom 0.15: IC110.46 319.77,150 arc45 319.42,149.85 319.29,149.72 arc-45 318.94,149.57 317.88,149.57 arc-45 317.53,149.72 v316.75,150.5 | v313.5,138.5 313.09,138.91 arc45 312.39,139.2 299.78,139.2 arc-45 299.64,139.26 299.56,139.34 arc45 299.42,139.4 298.76,139.4 arc-45 298.06,139.69 297.54,140.21 arc-45 297.25,140.91 297.25,142.34 arc45 296.96,143.04 295.47,144.53 arc45 295.12,144.68 294.91,144.68 arc-90 294.18,145.41 arc45 293.88,146.12 293.79,146.21 arc-45 293.5,146.91 293.5,151.59 arc45 293.21,152.29 292.29,153.21 arc-45 292,153.91 v292,154.5
  Bottom 0.2: IC118.1 287.82,153.86 arc-45 288.05,154.4 v288.05,154.5 R545.1
AMP_IN_N
  Bottom 0.2: 33.42,70.47 R58.2 33.45,69.55 R78.2 33.77,69.22 IC13.4
AMP_IN_N1
  Bottom 0.2: 161.43,70.47 R136.2 161.45,69.55 R154.2 161.78,69.22 IC28.4
AMP_IN_N2
  Bottom 0.2: 33.42,156.47 R214.2 33.45,155.55 R232.2 33.77,155.22 IC46.4
AMP_IN_N3
  Bottom 0.2: 161.43,156.47 R292.2 161.45,155.55 R310.2 161.78,155.22 IC64.4
AMP_IN_N4
  Bottom 0.2: 289.43,70.47 R370.2 289.45,69.55 R388.2 289.77,69.22 IC82.4
AMP_IN_N6
  Bottom 0.2: 289.43,156.47 R526.2 289.45,155.55 R544.2 289.77,155.22 IC118.4
AMP_IN_P
  Bottom 0.2: R57.2 R77.2 33.45,73.5 | J9.3 38.76,81.04 arc45 38.05,80.75 J9.2 36.1,78.8 35.8,78.8 33.74,76.74 arc45 33.45,76.04 33.45,73.5 | R75.2 33.45,73.5
AMP_IN_P1
  Bottom 0.2: R135.2 R153.2 161.45,73.5 | J17.3 166.76,81.04 arc45 166.05,80.75 J17.2 164.11,78.8 163.8,78.8 161.74,76.74 arc45 161.45,76.04 161.45,73.5 | R156.2 161.45,73.5
AMP_IN_P2
  Bottom 0.2: R213.2 R231.2 33.45,159.5 | J27.3 38.76,167.04 arc45 38.05,166.75 J27.2 36.1,164.8 35.8,164.8 33.74,162.74 arc45 33.45,162.04 33.45,159.5 | R234.2 33.45,159.5
AMP_IN_P3
  Bottom 0.2: R291.2 R309.2 161.45,159.5 | J37.3 166.76,167.04 arc45 166.05,166.75 J37.2 164.11,164.8 163.8,164.8 161.74,162.74 arc45 161.45,162.04 161.45,159.5 | R312.2 161.45,159.5
AMP_IN_P4